# Altium PCB RockerBox_Rev04.PcbDoc (part 4 of 9)
Units mil, origin at the board's own origin, x right, y up, seen from the top; angles counter-clockwise.
Board outline 5354.33 x 8818.9 mil, 4 copper layers (L1, L2, L3, L4), stack 62.087 mil thick; 582 components, 159 nets, 3630 pads, 4701 vias.
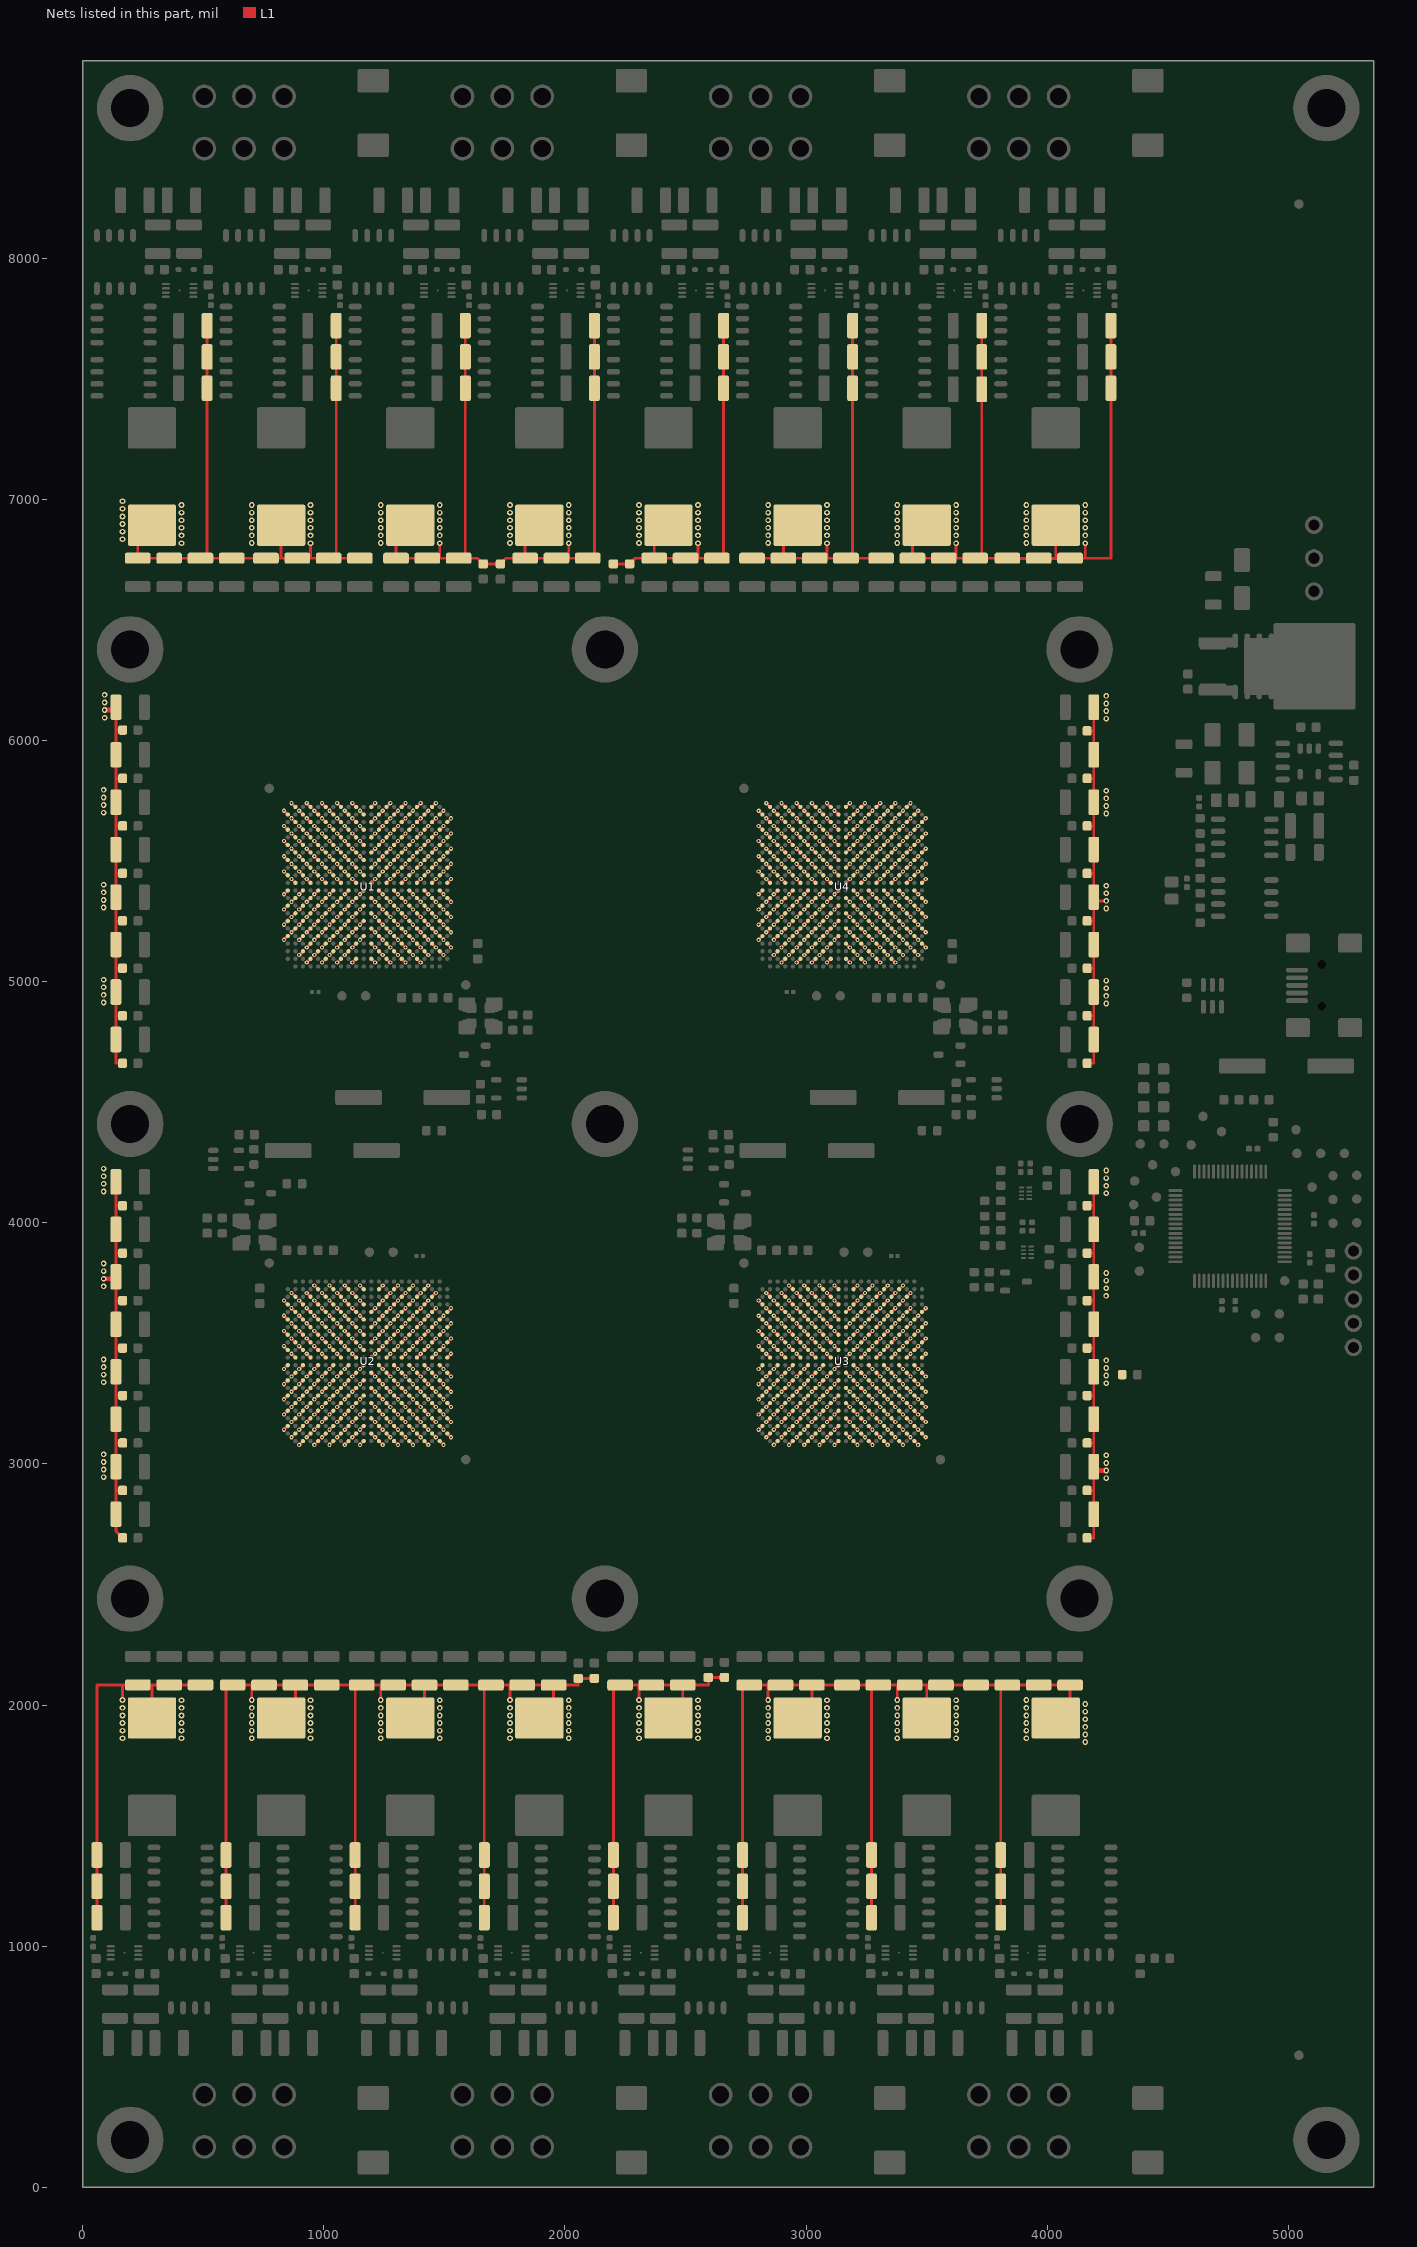
[diagram p6: the nets of this part, all layers, seen from the top]

## Via types
v1: diameter 23.62/23.62/23.62/23.62 (per signal layer), hole 11.81, L1 to L4, 2848 vias
v2: diameter 17.72/17.72/17.72/17.72 (per signal layer), hole 7.87, L1 to L4, 1853 vias

## Nets (pads, with @x,y where several pads share a name; then routed paths per layer and width w, separated by ;. In a path a pad name is that pad's centre, name@x,y a point inside that pad or via, vN(x,y) a via of type N, cw(c..) or ccw(c..) an arc to the next point about the centre after c; other vN are vias at no path point) (continued)
1V: (continued)
  L1 w11.81: C410.2@59.06,1118.11 C408.2@59.06,1248.03 C409.2@59.06,1377.95 59.06,2082.68 165.37,2083.05 ; C209.2@137.8,4169.29 137.8,4070.87 ; C157.2@137.8,6137.8 137.8,6125.98 137.8,6043.31 ; v1(165.35,2020.67) 165.35,2083.04 ; C179.2@165.35,2692.91 137.8,2720.47 C215.2@137.8,2791.34 137.8,2889.76 ; C180.2@165.35,2889.76 137.8,2889.76 ; C182.2@165.35,3086.61 137.8,3086.61 ; C183.2@165.35,3283.46 137.8,3283.46 ; C184.2@165.35,3480.31 137.8,3480.31 ; C178.2@165.35,3677.17 137.8,3677.17 ; C177.2@165.35,3874.02 137.8,3874.02 ; C181.2@165.35,4070.87 137.8,4070.87 ; C148.2@165.35,4661.42 137.8,4661.42 C164.2@137.8,4759.84 137.8,4858.27 ; C152.2@165.35,4858.27 137.8,4858.27 ; C151.2@165.35,5055.12 137.8,5055.12 ; C153.2@165.35,5251.97 137.8,5251.97 ; C149.2@165.35,5448.82 137.8,5448.82 ; C154.2@165.35,5645.67 137.8,5645.67 ; C155.2@165.35,5842.52 137.8,5842.52 ; C36.2@165.35,6043.31 137.8,6043.31 ; L1.2@287.4,1945.87 287.4,2083.28 ; L16.2@287.4,6892.72 228.35,6892.72 C147.2@228.35,6755.91 C146.2@358.27,6755.91 C145.2@488.19,6755.91 C145.2@515.75,6755.91 ; C34.2@488.5,2083.28 C236.2@358.58,2083.28 287.4,2083.28 ; C372.2@515.75,7720.47 C371.2@515.75,7590.55 C370.2@515.75,7460.63 C145.2@515.75,6755.91 ; C413.2@594.49,1118.11 C411.2@594.49,1248.03 C412.2@594.49,1377.95 594.49,2082.68 C67.2@622.05,2082.68 C68.2@700.79,2082.68 ; v1(700.79,2020.67) C68.2@700.79,2082.68 ; L5.2@822.83,1945.87 881.89,1945.87 C66.2@881.89,2082.68 ; L12.2@822.83,6892.72 822.83,6755.91 ; v2(834.65,3141.73) U2.A3@850.39,3157.48 ; v2(834.65,3204.72) U2.A5@850.39,3220.47 ; v2(834.65,3267.72) U2.A7@850.39,3283.46 ; v2(834.65,3330.71) U2.A9@850.39,3346.46 ; v2(834.65,3393.7) U2.A11@850.39,3409.45 ; v2(834.65,3488.19) U2.A13@850.39,3472.44 ; v2(834.65,3551.18) U2.A15@850.39,3535.43 ; v2(834.65,3614.17) U2.A17@850.39,3598.43 ; v2(834.65,3677.17) U2.A19@850.39,3661.42 ; v2(834.65,5173.23) U1.AB18@850.39,5188.98 ; v2(834.65,5236.22) U1.AB16@850.39,5251.97 ; v2(834.65,5299.21) U1.AB14@850.39,5314.96 ; v2(834.65,5362.2) U1.AB12@850.39,5377.95 ; v2(834.65,5456.69) U1.AB10@850.39,5440.94 ; v2(834.65,5519.68) U1.AB8@850.39,5503.94 ; v2(834.65,5582.68) U1.AB6@850.39,5566.93 ; v2(834.65,5645.67) U1.AB4@850.39,5629.92 ; v2(834.65,5708.66) U1.AB2@850.39,5692.91 ; v2(866.14,3110.24) U2.B2@881.89,3125.98 ; v2(866.14,3173.23) U2.B4@881.89,3188.98 ; v2(866.14,3236.22) U2.B6@881.89,3251.97 ; v2(866.14,3299.21) U2.B8@881.89,3314.96 ; v2(866.14,3362.2) U2.B10@881.89,3377.95 ; v2(866.14,3456.69) U2.B12@881.89,3440.94 ; v2(866.14,3519.68) U2.B14@881.89,3503.94 ; v2(866.14,3582.68) U2.B16@881.89,3566.93 ; v2(866.14,3645.67) U2.B18@881.89,3629.92 ; v2(866.14,3708.66) U2.B20@881.89,3692.91 ; v2(866.14,5204.72) U1.AA17@881.89,5220.47 ; v2(866.14,5267.72) U1.AA15@881.89,5283.46 ; v2(866.14,5330.71) U1.AA13@881.89,5346.46 ; v2(866.14,5425.2) U1.AA11@881.89,5409.45 ; v2(866.14,5488.19) U1.AA9@881.89,5472.44 ; v2(866.14,5551.18) U1.AA7@881.89,5535.43 ; v2(866.14,5614.17) U1.AA5@881.89,5598.43 ; v2(866.14,5677.17) U1.AA3@881.89,5661.42 ; v2(866.14,5740.16) U1.AA1@881.89,5724.41 ; v2(897.64,3078.74) U2.C1@913.39,3094.49 ; v2(897.64,3141.73) U2.C3@913.39,3157.48 ; v2(897.64,3204.72) U2.C5@913.39,3220.47 ; v2(897.64,3267.72) U2.C7@913.39,3283.46 ; v2(897.64,3330.71) U2.C9@913.39,3346.46 ; v2(897.64,3393.7) U2.C11@913.39,3409.45 ; v2(897.64,3488.19) U2.C13@913.39,3472.44 ; v2(897.64,3551.18) U2.C15@913.39,3535.43 ; v2(897.64,3614.17) U2.C17@913.39,3598.43 ; v2(897.64,3677.17) U2.C19@913.39,3661.42 ; v2(897.64,5110.24) U1.Y20@913.39,5125.98 ; v2(897.64,5173.23) U1.Y18@913.39,5188.98 ; v2(897.64,5236.22) U1.Y16@913.39,5251.97 ; v2(897.64,5299.21) U1.Y14@913.39,5314.96 ; v2(897.64,5362.2) U1.Y12@913.39,5377.95 ; v2(897.64,5456.69) U1.Y10@913.39,5440.94 ; v2(897.64,5519.68) U1.Y8@913.39,5503.94 ; v2(897.64,5582.68) U1.Y6@913.39,5566.93 ; v2(897.64,5645.67) U1.Y4@913.39,5629.92 ; v2(897.64,5708.66) U1.Y2@913.39,5692.91 ; v2(929.13,3110.24) U2.D2@944.88,3125.98 ; v2(929.13,3173.23) U2.D4@944.88,3188.98 ; v2(929.13,3236.22) U2.D6@944.88,3251.97 ; v2(929.13,3299.21) U2.D8@944.88,3314.96 ; v2(929.13,3362.2) U2.D10@944.88,3377.95 ; v2(929.13,3456.69) U2.D12@944.88,3440.94 ; v2(929.13,3519.68) U2.D14@944.88,3503.94 ; v2(929.13,3582.68) U2.D16@944.88,3566.93 ; v2(929.13,3645.67) U2.D18@944.88,3629.92 ; v2(929.13,3708.66) U2.D20@944.88,3692.91 ; v2(929.13,5078.74) U1.W21@944.88,5094.49 ; v2(929.13,5141.73) U1.W19@944.88,5157.48 ; v2(929.13,5204.72) U1.W17@944.88,5220.47 ; v2(929.13,5267.72) U1.W15@944.88,5283.46 ; v2(929.13,5330.71) U1.W13@944.88,5346.46 ; v2(929.13,5425.2) U1.W11@944.88,5409.45 ; v2(929.13,5488.19) U1.W9@944.88,5472.44 ; v2(929.13,5551.18) U1.W7@944.88,5535.43 ; v2(929.13,5614.17) U1.W5@944.88,5598.43 ; v2(929.13,5677.17) U1.W3@944.88,5661.42 ; v2(929.13,5740.16) U1.W1@944.88,5724.41 ; v1(944.88,6817.91) 944.88,6755.91 ; v2(960.63,3078.74) U2.E1@976.38,3094.49 ; v2(960.63,3141.73) U2.E3@976.38,3157.48 ; v2(960.63,3204.72) U2.E5@976.38,3220.47 ; v2(960.63,3267.72) U2.E7@976.38,3283.46 ; v2(960.63,3330.71) U2.E9@976.38,3346.46 ; v2(960.63,3393.7) U2.E11@976.38,3409.45 ; v2(960.63,3488.19) U2.E13@976.38,3472.44 ; v2(960.63,3551.18) U2.E15@976.38,3535.43 ; v2(960.63,3614.17) U2.E17@976.38,3598.43 ; v2(960.63,3677.17) U2.E19@976.38,3661.42 ; v2(960.63,3740.16) U2.E21@976.38,3724.41 ; v2(960.63,5110.24) U1.V20@976.38,5125.98 ; v2(960.63,5173.23) U1.V18@976.38,5188.98 ; v2(960.63,5236.22) U1.V16@976.38,5251.97 ; v2(960.63,5299.21) U1.V14@976.38,5314.96 ; v2(960.63,5362.2) U1.V12@976.38,5377.95 ; v2(960.63,5456.69) U1.V10@976.38,5440.94 ; v2(960.63,5519.68) U1.V8@976.38,5503.94 ; v2(960.63,5582.68) U1.V6@976.38,5566.93 ; v2(960.63,5645.67) U1.V4@976.38,5629.92 ; v2(960.63,5708.66) U1.V2@976.38,5692.91 ; v2(992.13,3110.24) U2.F2@1007.87,3125.98 ; v2(992.13,3173.23) U2.F4@1007.87,3188.98 ; v2(992.13,3236.22) U2.F6@1007.87,3251.97 ; v2(992.13,3299.21) U2.F8@1007.87,3314.96 ; v2(992.13,3362.2) U2.F10@1007.87,3377.95 ; v2(992.13,3456.69) U2.F12@1007.87,3440.94 ; v2(992.13,3519.68) U2.F14@1007.87,3503.94 ; v2(992.13,3582.68) U2.F16@1007.87,3566.93 ; v2(992.13,3645.67) U2.F18@1007.87,3629.92 ; v2(992.13,3708.66) U2.F20@1007.87,3692.91 ; v2(992.13,5078.74) U1.U21@1007.87,5094.49 ; v2(992.13,5141.73) U1.U19@1007.87,5157.48 ; v2(992.13,5204.72) U1.U17@1007.87,5220.47 ; v2(992.13,5267.72) U1.U15@1007.87,5283.46 ; v2(992.13,5330.71) U1.U13@1007.87,5346.46 ; v2(992.13,5425.2) U1.U11@1007.87,5409.45 ; v2(992.13,5488.19) U1.U9@1007.87,5472.44 ; v2(992.13,5551.18) U1.U7@1007.87,5535.43 ; v2(992.13,5614.17) U1.U5@1007.87,5598.43 ; v2(992.13,5677.17) U1.U3@1007.87,5661.42 ; v2(992.13,5740.16) U1.U1@1007.87,5724.41 ; v2(1023.62,3078.74) U2.G1@1039.37,3094.49 ; v2(1023.62,3141.73) U2.G3@1039.37,3157.48 ; v2(1023.62,3204.72) U2.G5@1039.37,3220.47 ; v2(1023.62,3267.72) U2.G7@1039.37,3283.46 ; v2(1023.62,3330.71) U2.G9@1039.37,3346.46 ; v2(1023.62,3393.7) U2.G11@1039.37,3409.45 ; v2(1023.62,3488.19) U2.G13@1039.37,3472.44 ; v2(1023.62,3551.18) U2.G15@1039.37,3535.43 ; v2(1023.62,3614.17) U2.G17@1039.37,3598.43 ; v2(1023.62,3677.17) U2.G19@1039.37,3661.42 ; v2(1023.62,3740.16) U2.G21@1039.37,3724.41 ; v2(1023.62,5110.24) U1.T20@1039.37,5125.98 ; v2(1023.62,5173.23) U1.T18@1039.37,5188.98 ; v2(1023.62,5236.22) U1.T16@1039.37,5251.97 ; v2(1023.62,5299.21) U1.T14@1039.37,5314.96 ; v2(1023.62,5362.2) U1.T12@1039.37,5377.95 ; v2(1023.62,5456.69) U1.T10@1039.37,5440.94 ; v2(1023.62,5519.68) U1.T8@1039.37,5503.94 ; v2(1023.62,5582.68) U1.T6@1039.37,5566.93 ; v2(1023.62,5645.67) U1.T4@1039.37,5629.92 ; v2(1023.62,5708.66) U1.T2@1039.37,5692.91 ; C367.2@1051.18,7720.47 C366.2@1051.18,7590.55 C365.2@1051.18,7460.63 C113.2@1051.18,6755.91 ; v2(1055.12,3110.24) U2.H2@1070.87,3125.98 ; v2(1055.12,3173.23) U2.H4@1070.87,3188.98 ; v2(1055.12,3236.22) U2.H6@1070.87,3251.97 ; v2(1055.12,3299.21) U2.H8@1070.87,3314.96 ; v2(1055.12,3362.2) U2.H10@1070.87,3377.95 ; v2(1055.12,3456.69) U2.H12@1070.87,3440.94 ; v2(1055.12,3519.68) U2.H14@1070.87,3503.94 ; v2(1055.12,3582.68) U2.H16@1070.87,3566.93 ; v2(1055.12,3645.67) U2.H18@1070.87,3629.92 ; v2(1055.12,3708.66) U2.H20@1070.87,3692.91 ; v2(1055.12,5078.74) U1.R21@1070.87,5094.49 ; v2(1055.12,5141.73) U1.R19@1070.87,5157.48 ; v2(1055.12,5204.72) U1.R17@1070.87,5220.47 ; v2(1055.12,5267.72) U1.R15@1070.87,5283.46 ; v2(1055.12,5330.71) U1.R13@1070.87,5346.46 ; v2(1055.12,5425.2) U1.R11@1070.87,5409.45 ; v2(1055.12,5488.19) U1.R9@1070.87,5472.44 ; v2(1055.12,5551.18) U1.R7@1070.87,5535.43 ; v2(1055.12,5614.17) U1.R5@1070.87,5598.43 ; v2(1055.12,5677.17) U1.R3@1070.87,5661.42 ; v2(1055.12,5740.16) U1.R1@1070.87,5724.41 ; v2(1086.61,3078.74) U2.J1@1102.36,3094.49 ; v2(1086.61,3141.73) U2.J3@1102.36,3157.48 ; v2(1086.61,3204.72) U2.J5@1102.36,3220.47 ; v2(1086.61,3267.72) U2.J7@1102.36,3283.46 ; v2(1086.61,3330.71) U2.J9@1102.36,3346.46 ; v2(1086.61,3393.7) U2.J11@1102.36,3409.45 ; v2(1086.61,3488.19) U2.J13@1102.36,3472.44 ; v2(1086.61,3551.18) U2.J15@1102.36,3535.43 ; v2(1086.61,3614.17) U2.J17@1102.36,3598.43 ; v2(1086.61,3677.17) U2.J19@1102.36,3661.42 ; v2(1086.61,3740.16) U2.J21@1102.36,3724.41 ; v2(1086.61,5110.24) U1.P20@1102.36,5125.98 ; v2(1086.61,5173.23) U1.P18@1102.36,5188.98 ; v2(1086.61,5236.22) U1.P16@1102.36,5251.97 ; v2(1086.61,5299.21) U1.P14@1102.36,5314.96 ; v2(1086.61,5362.2) U1.P12@1102.36,5377.95 ; v2(1086.61,5456.69) U1.P10@1102.36,5440.94 ; v2(1086.61,5519.68) U1.P8@1102.36,5503.94 ; v2(1086.61,5582.68) U1.P6@1102.36,5566.93 ; v2(1086.61,5645.67) U1.P4@1102.36,5629.92 ; v2(1086.61,5708.66) U1.P2@1102.36,5692.91 ; v2(1118.11,3110.24) U2.K2@1133.86,3125.98 ; v2(1118.11,3173.23) U2.K4@1133.86,3188.98 ; v2(1118.11,3236.22) U2.K6@1133.86,3251.97 ; v2(1118.11,3299.21) U2.K8@1133.86,3314.96 ; v2(1118.11,3362.2) U2.K10@1133.86,3377.95 ; v2(1118.11,3456.69) U2.K12@1133.86,3440.94 ; v2(1118.11,3519.68) U2.K14@1133.86,3503.94 ; v2(1118.11,3582.68) U2.K16@1133.86,3566.93 ; v2(1118.11,3645.67) U2.K18@1133.86,3629.92 ; v2(1118.11,3708.66) U2.K20@1133.86,3692.91 ; v2(1118.11,5078.74) U1.N21@1133.86,5094.49 ; v2(1118.11,5141.73) U1.N19@1133.86,5157.48 ; v2(1118.11,5204.72) U1.N17@1133.86,5220.47 ; v2(1118.11,5267.72) U1.N15@1133.86,5283.46 ; v2(1118.11,5330.71) U1.N13@1133.86,5346.46 ; v2(1118.11,5425.2) U1.N11@1133.86,5409.45 ; v2(1118.11,5488.19) U1.N9@1133.86,5472.44 ; v2(1118.11,5551.18) U1.N7@1133.86,5535.43 ; v2(1118.11,5614.17) U1.N5@1133.86,5598.43 ; v2(1118.11,5677.17) U1.N3@1133.86,5661.42 ; v2(1118.11,5740.16) U1.N1@1133.86,5724.41 ; C416.2@1129.92,1118.11 C99.2@1129.92,2082.68 ; v2(1149.61,3078.74) U2.L1@1165.35,3094.49 ; v2(1149.61,3141.73) U2.L3@1165.35,3157.48 ; v2(1149.61,3204.72) U2.L5@1165.35,3220.47 ; v2(1149.61,3267.72) U2.L7@1165.35,3283.46 ; v2(1149.61,3330.71) U2.L9@1165.35,3346.46 ; v2(1149.61,3393.7) U2.L11@1165.35,3409.45 ; v2(1149.61,3488.19) U2.L13@1165.35,3472.44 ; v2(1149.61,3551.18) U2.L15@1165.35,3535.43 ; v2(1149.61,3614.17) U2.L17@1165.35,3598.43 ; v2(1149.61,3677.17) U2.L19@1165.35,3661.42 ; v2(1149.61,3740.16) U2.L21@1165.35,3724.41 ; v2(1149.61,5173.23) U1.M18@1165.35,5188.98 ; v2(1149.61,5236.22) U1.M16@1165.35,5251.97 ; v2(1149.61,5299.21) U1.M14@1165.35,5314.96 ; v2(1149.61,5362.2) U1.M12@1165.35,5377.95 ; v2(1149.61,5456.69) U1.M10@1165.35,5440.94 ; v2(1149.61,5519.68) U1.M8@1165.35,5503.94 ; v2(1149.61,5582.68) U1.M6@1165.35,5566.93 ; v2(1149.61,5645.67) U1.M4@1165.35,5629.92 ; v2(1149.61,5708.66) U1.M2@1165.35,5692.91 ; C165.2@1149.61,6755.91 C113.2@1051.18,6755.91 ; U2.M2@1196.85,3125.98 v2(1212.6,3110.24) ; U2.M4@1196.85,3188.98 v2(1212.6,3173.23) ; U2.M6@1196.85,3251.97 v2(1212.6,3236.22) ; U2.M8@1196.85,3314.96 v2(1212.6,3299.21) ; U2.M10@1196.85,3377.95 v2(1212.6,3362.2) ; U2.M12@1196.85,3440.94 v2(1212.6,3456.69) ; U2.M14@1196.85,3503.94 v2(1212.6,3519.68) ; U2.M16@1196.85,3566.93 v2(1212.6,3582.68) ; U2.M18@1196.85,3629.92 v2(1212.6,3645.67) ; U1.L21@1196.85,5094.49 v2(1212.6,5078.74) ; U1.L19@1196.85,5157.48 v2(1212.6,5141.73) ; U1.L17@1196.85,5220.47 v2(1212.6,5204.72) ; U1.L15@1196.85,5283.46 v2(1212.6,5267.72) ; U1.L13@1196.85,5346.46 v2(1212.6,5330.71) ; U1.L11@1196.85,5409.45 v2(1212.6,5425.2) ; U1.L9@1196.85,5472.44 v2(1212.6,5488.19) ; U1.L7@1196.85,5535.43 v2(1212.6,5551.18) ; U1.L5@1196.85,5598.43 v2(1212.6,5614.17) ; U1.L3@1196.85,5661.42 v2(1212.6,5677.17) ; U1.L1@1196.85,5724.41 v2(1212.6,5740.16) ; U2.N1@1228.35,3094.49 v2(1244.09,3078.74) ; U2.N3@1228.35,3157.48 v2(1244.09,3141.73) ; U2.N5@1228.35,3220.47 v2(1244.09,3204.72) ; U2.N7@1228.35,3283.46 v2(1244.09,3267.72) ; U2.N9@1228.35,3346.46 v2(1244.09,3330.71) ; U2.N11@1228.35,3409.45 v2(1244.09,3393.7) ; U2.N13@1228.35,3472.44 v2(1244.09,3488.19) ; U2.N15@1228.35,3535.43 v2(1244.09,3551.18) ; U2.N17@1228.35,3598.43 v2(1244.09,3614.17) ; U2.N19@1228.35,3661.42 v2(1244.09,3677.17) ; U2.N21@1228.35,3724.41 v2(1244.09,3740.16) ; U1.K20@1228.35,5125.98 v2(1244.09,5110.24) ; U1.K18@1228.35,5188.98 v2(1244.09,5173.23) ; U1.K16@1228.35,5251.97 v2(1244.09,5236.22) ; U1.K14@1228.35,5314.96 v2(1244.09,5299.21) ; U1.K12@1228.35,5377.95 v2(1244.09,5362.2) ; U1.K10@1228.35,5440.94 v2(1244.09,5456.69) ; U1.K8@1228.35,5503.94 v2(1244.09,5519.68) ; U1.K6@1228.35,5566.93 v2(1244.09,5582.68) ; U1.K4@1228.35,5629.92 v2(1244.09,5645.67) ; U1.K2@1228.35,5692.91 v2(1244.09,5708.66) ; v1(1236.22,2020.67) C100.2@1236.22,2082.68 ; U2.P2@1259.84,3125.98 v2(1275.59,3110.24) ; U2.P4@1259.84,3188.98 v2(1275.59,3173.23) ; U2.P6@1259.84,3251.97 v2(1275.59,3236.22) ; U2.P8@1259.84,3314.96 v2(1275.59,3299.21) ; U2.P10@1259.84,3377.95 v2(1275.59,3362.2) ; U2.P12@1259.84,3440.94 v2(1275.59,3456.69) ; U2.P14@1259.84,3503.94 v2(1275.59,3519.68) ; U2.P16@1259.84,3566.93 v2(1275.59,3582.68) ; U2.P18@1259.84,3629.92 v2(1275.59,3645.67) ; U2.P20@1259.84,3692.91 v2(1275.59,3708.66) ; U1.J21@1259.84,5094.49 v2(1275.59,5078.74) ; U1.J19@1259.84,5157.48 v2(1275.59,5141.73) ; U1.J17@1259.84,5220.47 v2(1275.59,5204.72) ; U1.J15@1259.84,5283.46 v2(1275.59,5267.72) ; U1.J13@1259.84,5346.46 v2(1275.59,5330.71) ; U1.J11@1259.84,5409.45 v2(1275.59,5425.2) ; U1.J9@1259.84,5472.44 v2(1275.59,5488.19) ; U1.J7@1259.84,5535.43 v2(1275.59,5551.18) ; U1.J5@1259.84,5598.43 v2(1275.59,5614.17) ; U1.J3@1259.84,5661.42 v2(1275.59,5677.17) ; U1.J1@1259.84,5724.41 v2(1275.59,5740.16) ; U2.R1@1291.34,3094.49 v2(1307.09,3078.74) ; U2.R3@1291.34,3157.48 v2(1307.09,3141.73) ; U2.R5@1291.34,3220.47 v2(1307.09,3204.72) ; U2.R7@1291.34,3283.46 v2(1307.09,3267.72) ; U2.R9@1291.34,3346.46 v2(1307.09,3330.71) ; U2.R11@1291.34,3409.45 v2(1307.09,3393.7) ; U2.R13@1291.34,3472.44 v2(1307.09,3488.19) ; U2.R15@1291.34,3535.43 v2(1307.09,3551.18) ; U2.R17@1291.34,3598.43 v2(1307.09,3614.17) ; U2.R19@1291.34,3661.42 v2(1307.09,3677.17) ; U2.R21@1291.34,3724.41 v2(1307.09,3740.16) ; U1.H20@1291.34,5125.98 v2(1307.09,5110.24) ; U1.H18@1291.34,5188.98 v2(1307.09,5173.23) ; U1.H16@1291.34,5251.97 v2(1307.09,5236.22) ; U1.H14@1291.34,5314.96 v2(1307.09,5299.21) ; U1.H12@1291.34,5377.95 v2(1307.09,5362.2) ; U1.H10@1291.34,5440.94 v2(1307.09,5456.69) ; U1.H8@1291.34,5503.94 v2(1307.09,5519.68) ; U1.H6@1291.34,5566.93 v2(1307.09,5582.68) ; U1.H4@1291.34,5629.92 v2(1307.09,5645.67) ; U1.H2@1291.34,5692.91 v2(1307.09,5708.66) ; U2.T2@1322.83,3125.98 v2(1338.58,3110.24) ; U2.T4@1322.83,3188.98 v2(1338.58,3173.23) ; U2.T6@1322.83,3251.97 v2(1338.58,3236.22) ; U2.T8@1322.83,3314.96 v2(1338.58,3299.21) ; U2.T10@1322.83,3377.95 v2(1338.58,3362.2) ; U2.T12@1322.83,3440.94 v2(1338.58,3456.69) ; U2.T14@1322.83,3503.94 v2(1338.58,3519.68) ; U2.T16@1322.83,3566.93 v2(1338.58,3582.68) ; U2.T18@1322.83,3629.92 v2(1338.58,3645.67) ; U2.T20@1322.83,3692.91 v2(1338.58,3708.66) ; U1.G21@1322.83,5094.49 v2(1338.58,5078.74) ; U1.G19@1322.83,5157.48 v2(1338.58,5141.73) ; U1.G17@1322.83,5220.47 v2(1338.58,5204.72) ; U1.G15@1322.83,5283.46 v2(1338.58,5267.72) ; U1.G13@1322.83,5346.46 v2(1338.58,5330.71) ; U1.G11@1322.83,5409.45 v2(1338.58,5425.2) ; U1.G9@1322.83,5472.44 v2(1338.58,5488.19) ; U1.G7@1322.83,5535.43 v2(1338.58,5551.18) ; U1.G5@1322.83,5598.43 v2(1338.58,5614.17) ; U1.G3@1322.83,5661.42 v2(1338.58,5677.17) ; U1.G1@1322.83,5724.41 v2(1338.58,5740.16) ; U2.U1@1354.33,3094.49 v2(1370.08,3078.74) ; U2.U3@1354.33,3157.48 v2(1370.08,3141.73) ; U2.U5@1354.33,3220.47 v2(1370.08,3204.72) ; U2.U7@1354.33,3283.46 v2(1370.08,3267.72) ; U2.U9@1354.33,3346.46 v2(1370.08,3330.71) ; U2.U11@1354.33,3409.45 v2(1370.08,3393.7) ; U2.U13@1354.33,3472.44 v2(1370.08,3488.19) ; U2.U15@1354.33,3535.43 v2(1370.08,3551.18) ; U2.U17@1354.33,3598.43 v2(1370.08,3614.17) ; U2.U19@1354.33,3661.42 v2(1370.08,3677.17) ; U2.U21@1354.33,3724.41 v2(1370.08,3740.16) ; U1.F20@1354.33,5125.98 v2(1370.08,5110.24) ; U1.F18@1354.33,5188.98 v2(1370.08,5173.23) ; U1.F16@1354.33,5251.97 v2(1370.08,5236.22) ; U1.F14@1354.33,5314.96 v2(1370.08,5299.21) ; U1.F12@1354.33,5377.95 v2(1370.08,5362.2) ; U1.F10@1354.33,5440.94 v2(1370.08,5456.69) ; U1.F8@1354.33,5503.94 v2(1370.08,5519.68) ; U1.F6@1354.33,5566.93 v2(1370.08,5582.68) ; U1.F4@1354.33,5629.92 v2(1370.08,5645.67) ; U1.F2@1354.33,5692.91 v2(1370.08,5708.66) ; L9.2@1358.27,1945.87 1417.32,1945.87 C98.2@1417.32,2082.68 ; L8.2@1358.27,6892.72 1299.21,6892.72 C83.2@1299.21,6755.91 C82.2@1429.13,6755.91 C82.2@1480.31,6755.91 ; U2.V2@1385.83,3125.98 v2(1401.57,3110.24) ; U2.V4@1385.83,3188.98 v2(1401.57,3173.23) ; U2.V6@1385.83,3251.97 v2(1401.57,3236.22) ; U2.V8@1385.83,3314.96 v2(1401.57,3299.21) ; U2.V10@1385.83,3377.95 v2(1401.57,3362.2) ; U2.V12@1385.83,3440.94 v2(1401.57,3456.69) ; U2.V14@1385.83,3503.94 v2(1401.57,3519.68) ; U2.V16@1385.83,3566.93 v2(1401.57,3582.68) ; U2.V18@1385.83,3629.92 v2(1401.57,3645.67) ; U2.V20@1385.83,3692.91 v2(1401.57,3708.66) ; U1.E21@1385.83,5094.49 v2(1401.57,5078.74) ; U1.E19@1385.83,5157.48 v2(1401.57,5141.73) ; U1.E17@1385.83,5220.47 v2(1401.57,5204.72) ; U1.E15@1385.83,5283.46 v2(1401.57,5267.72) ; U1.E13@1385.83,5346.46 v2(1401.57,5330.71) ; U1.E11@1385.83,5409.45 v2(1401.57,5425.2) ; U1.E9@1385.83,5472.44 v2(1401.57,5488.19) ; U1.E7@1385.83,5535.43 v2(1401.57,5551.18) ; U1.E5@1385.83,5598.43 v2(1401.57,5614.17) ; U1.E3@1385.83,5661.42 v2(1401.57,5677.17) ; U1.E1@1385.83,5724.41 v2(1401.57,5740.16) ; U2.W1@1417.32,3094.49 v2(1433.07,3078.74) ; U2.W3@1417.32,3157.48 v2(1433.07,3141.73) ; U2.W5@1417.32,3220.47 v2(1433.07,3204.72) ; U2.W7@1417.32,3283.46 v2(1433.07,3267.72) ; U2.W9@1417.32,3346.46 v2(1433.07,3330.71) ; U2.W11@1417.32,3409.45 v2(1433.07,3393.7) ; U2.W13@1417.32,3472.44 v2(1433.07,3488.19) ; U2.W15@1417.32,3535.43 v2(1433.07,3551.18) ; U2.W17@1417.32,3598.43 v2(1433.07,3614.17) ; U2.W19@1417.32,3661.42 v2(1433.07,3677.17) ; U2.W21@1417.32,3724.41 v2(1433.07,3740.16) ; U1.D20@1417.32,5125.98 v2(1433.07,5110.24) ; U1.D18@1417.32,5188.98 v2(1433.07,5173.23) ; U1.D16@1417.32,5251.97 v2(1433.07,5236.22) ; U1.D14@1417.32,5314.96 v2(1433.07,5299.21) ; U1.D12@1417.32,5377.95 v2(1433.07,5362.2) ; U1.D10@1417.32,5440.94 v2(1433.07,5456.69) ; U1.D8@1417.32,5503.94 v2(1433.07,5519.68) ; U1.D6@1417.32,5566.93 v2(1433.07,5582.68) ; U1.D4@1417.32,5629.92 v2(1433.07,5645.67) ; U1.D2@1417.32,5692.91 v2(1433.07,5708.66) ; U2.Y2@1448.82,3125.98 v2(1464.57,3110.24) ; U2.Y4@1448.82,3188.98 v2(1464.57,3173.23) ; U2.Y6@1448.82,3251.97 v2(1464.57,3236.22) ; U2.Y8@1448.82,3314.96 v2(1464.57,3299.21) ; U2.Y10@1448.82,3377.95 v2(1464.57,3362.2) ; U2.Y12@1448.82,3440.94 v2(1464.57,3456.69) ; U2.Y14@1448.82,3503.94 v2(1464.57,3519.68) ; U2.Y16@1448.82,3566.93 v2(1464.57,3582.68) ; U2.Y18@1448.82,3629.92 v2(1464.57,3645.67) ; U2.Y20@1448.82,3692.91 v2(1464.57,3708.66) ; U1.C19@1448.82,5157.48 v2(1464.57,5141.73) ; U1.C17@1448.82,5220.47 v2(1464.57,5204.72) ; U1.C15@1448.82,5283.46 v2(1464.57,5267.72) ; U1.C13@1448.82,5346.46 v2(1464.57,5330.71) ; U1.C11@1448.82,5409.45 v2(1464.57,5425.2) ; U1.C9@1448.82,5472.44 v2(1464.57,5488.19) ; U1.C7@1448.82,5535.43 v2(1464.57,5551.18) ; U1.C5@1448.82,5598.43 v2(1464.57,5614.17) ; U1.C3@1448.82,5661.42 v2(1464.57,5677.17) ; U1.C1@1448.82,5724.41 v2(1464.57,5740.16) ; U2.AA1@1480.31,3094.49 v2(1496.06,3078.74) 